# KiCad board mist1010.kicad_pcb (continued)
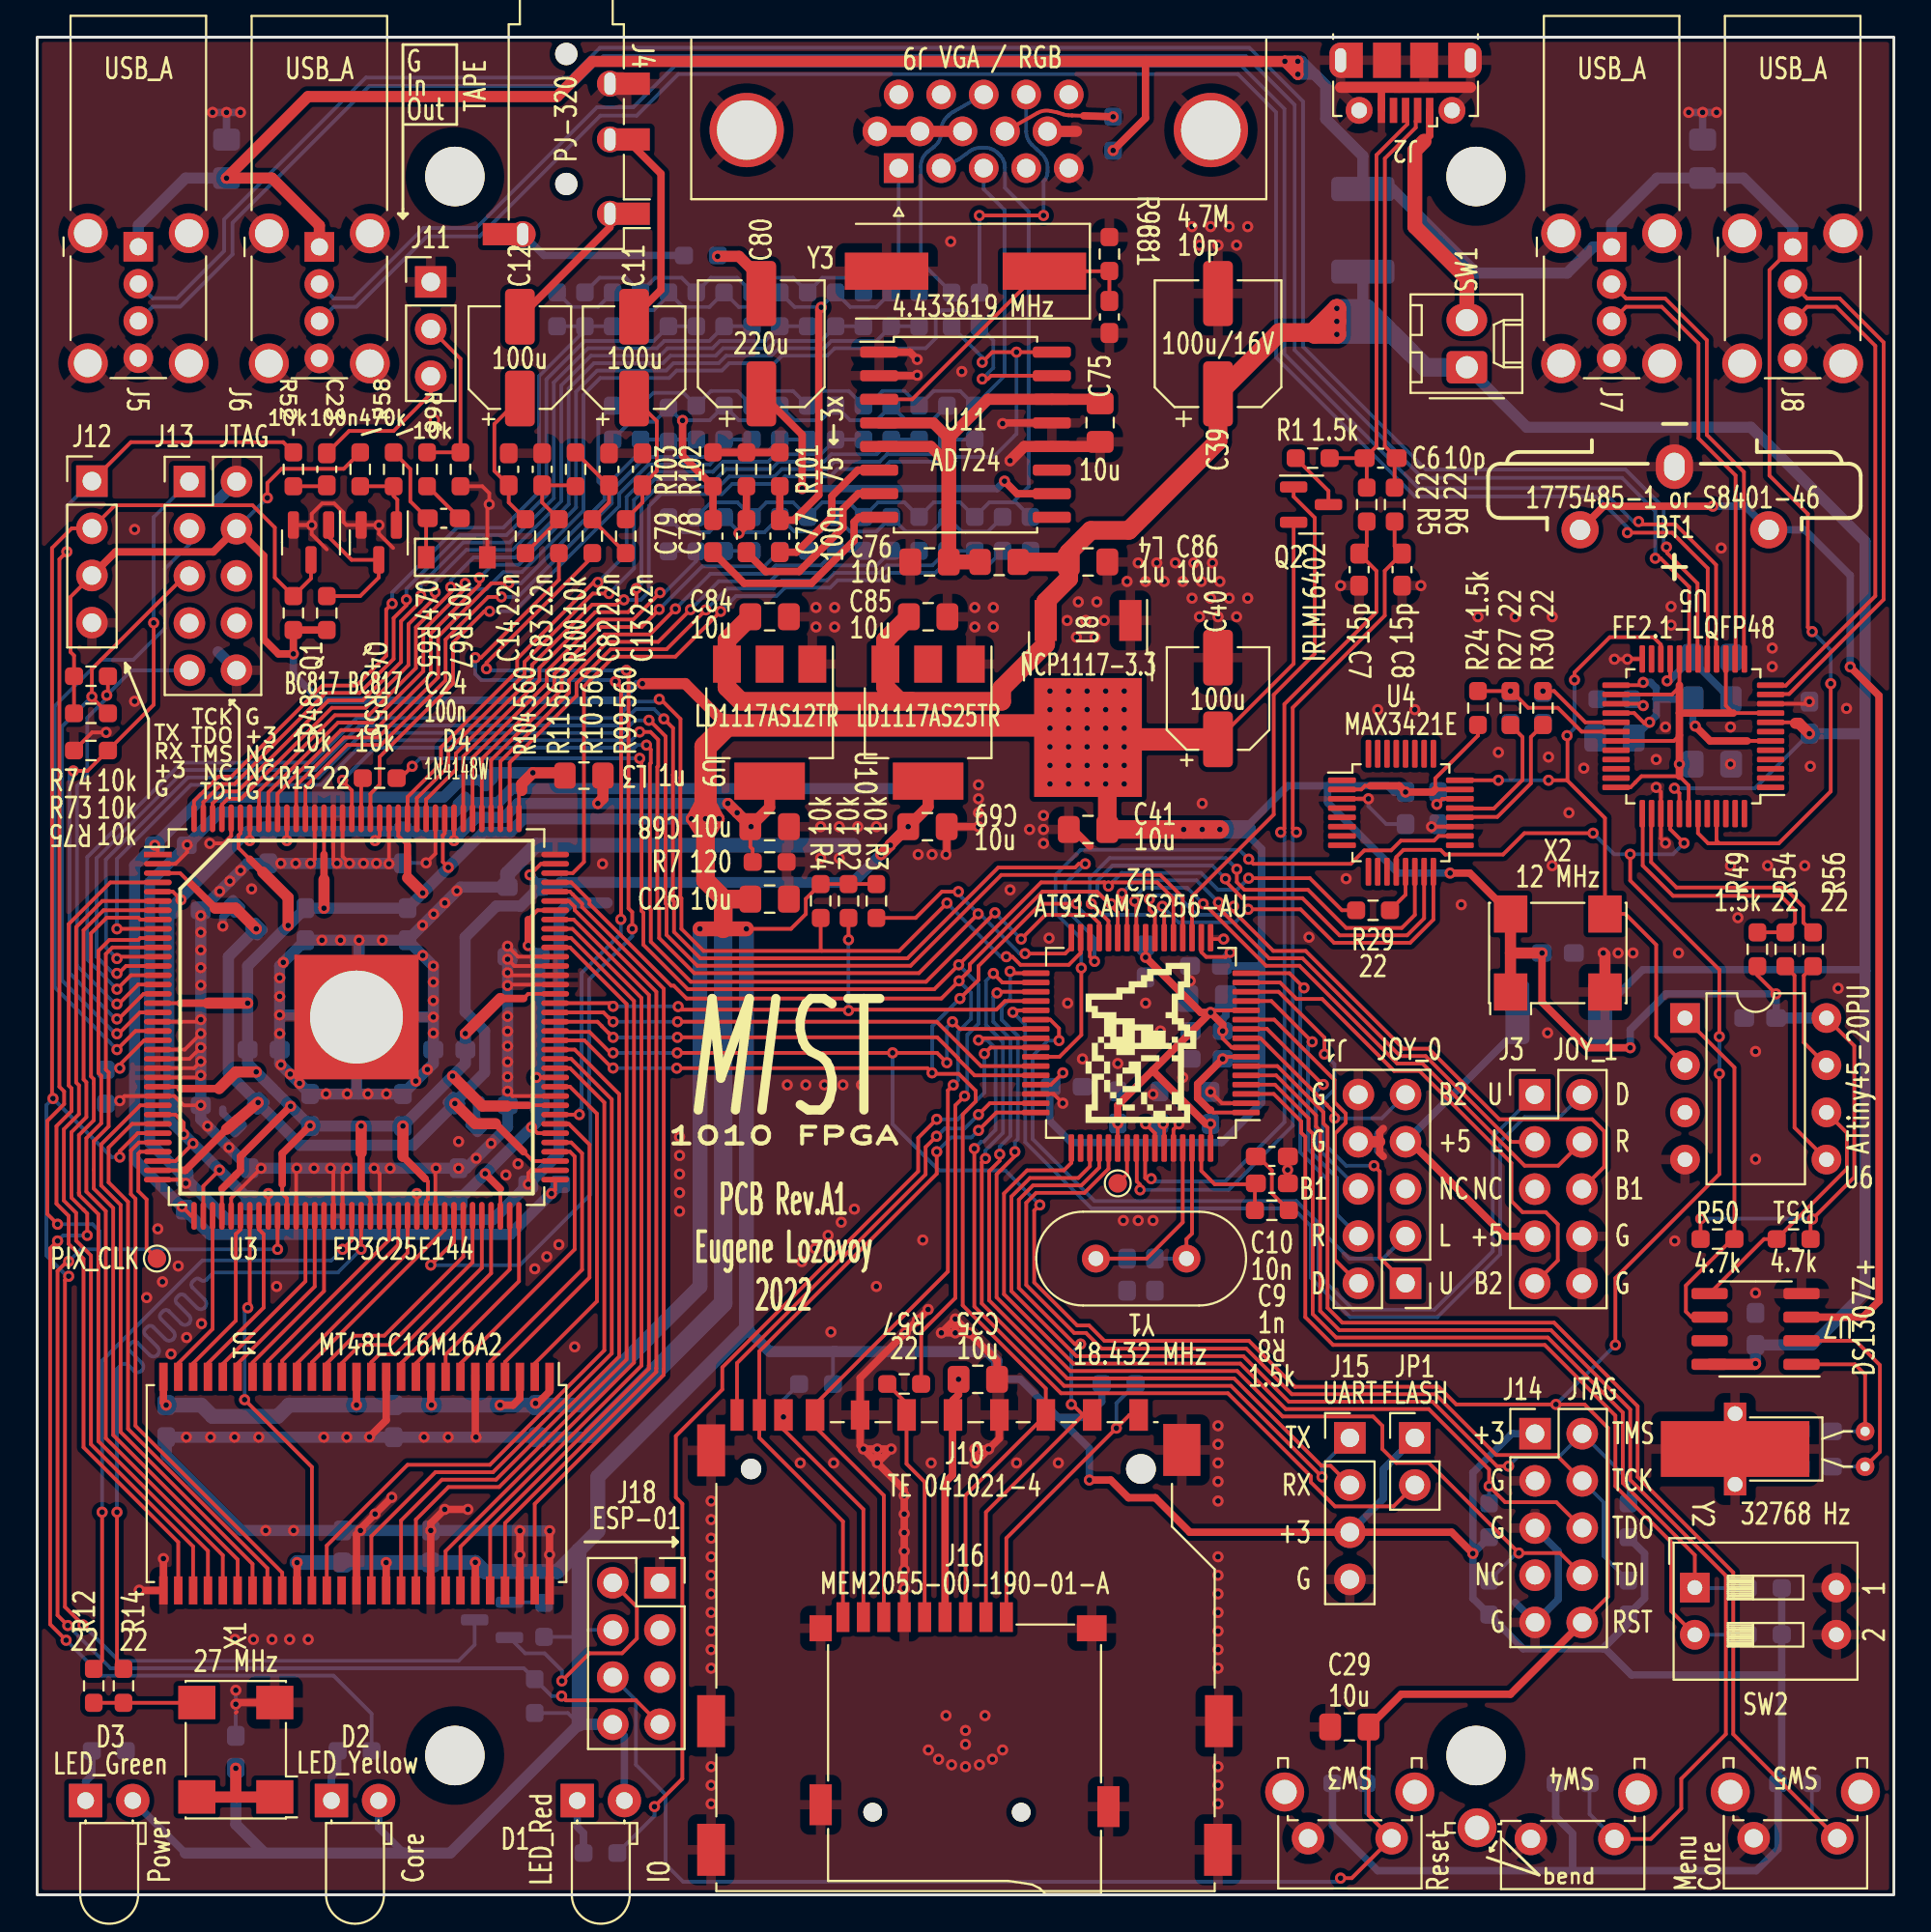
[diagram p0: board, top side]
## Nets (continued)
/RAM_DQ12: U1.48 U3.100
/RAM_DQ13: U1.50 U3.101
/RAM_DQ14: U1.51 U3.103
/RAM_DQ15: U1.53 U3.104
/RAM_DQMH: U1.39 U3.85
/RAM_DQML: U1.15 U3.67
/RST: C29.2 J14.10 J18.6 R68.2 SW3.1 U2.39 U3.89 U4.12 U5.40
/RTC_DN: R49.2 R54.2 U5.37
/RTC_DP: R56.2 U5.38
/RX_ARM: J15.2 U2.35
/RX_FPGA: J12.2 Q1.3 Q3.3 R48.1 U3.31
/SCK: R13.2 R29.1 R57.1 U2.21
/SD_CD: J10.10 J16.9 U2.48
/SD_CLK: J10.5 J16.5 R57.2
/SD_DAT1: J10.8 J16.8 R64.2
/SD_DAT2: J10.9 J16.1 R53.2
/SD_VDD: C25.2 J10.4 J16.4 L2.2
/SD_WP: J10.11 U2.47
/SS0: U2.28 U4.14
/SS1: J10.1 J16.2 U2.52
/SS2/FPGA: U2.29 U3.127
/SS3/OSD: U2.43 U3.91
/SS4/SD_DIRECT: U2.44 U3.90
/Switch1: R60.2 SW2.1 U2.4
/Switch2: R61.2 SW2.2 U2.3
/TAPE_IN: J11.2 R65.1 R67.1
/TAPE_OUT: C23.1 J11.3
/TX_ARM: J15.1 U2.34
/TX_FPGA: J12.1 J18.7 R44.2 R52.1 U3.46
/UDN: C6.2 J2.2 R6.1
/UDP: C6.1 J2.3 R1.2 R5.1
/USB_DN: C8.1 R6.2 U2.56
/USB_DP: C7.1 R5.2 U2.57
/USBH_INT: U2.42 U4.18
/USBHUB1_DN: J5.2 U5.18
/USBHUB1_DP: J5.3 U5.19
/USBHUB2_DN: J6.2 U5.16
/USBHUB2_DP: J6.3 U5.17
/USBHUB3_DN: J7.2 U5.13
/USBHUB3_DP: J7.3 U5.14
/USBHUB4_DN: J8.2 U5.11
/USBHUB4_DP: J8.3 U5.12
/VGA_B0: R41.1 R97.1 U3.115
/VGA_B1: R40.1 R96.1 U3.120
/VGA_B2: R39.1 R95.1 U3.121
/VGA_B3: R37.1 R94.1 U3.125
/VGA_B4: R35.1 R93.1 U3.132
/VGA_B5: R33.1 R34.1 R91.1 R92.1 U3.133
/VGA_G0: R32.1 R90.1 U3.106
/VGA_G1: R31.1 R88.1 U3.110
/VGA_G2: R28.1 R87.1 U3.111
/VGA_G3: R26.1 R86.1 U3.112
/VGA_G4: R25.1 R85.1 U3.113
/VGA_G5: R22.1 R23.1 R83.1 R84.1 U3.114
/VGA_HS: R43.1 U3.119 U11.16
/VGA_R0: R21.1 R82.1 U3.135
/VGA_R1: R20.1 R81.1 U3.137
/VGA_R2: R19.1 R80.1 U3.141
/VGA_R3: R18.1 R79.1 U3.142
/VGA_R4: R17.1 R78.1 U3.143
/VGA_R5: R15.1 R16.1 R76.1 R77.1 U3.144
/VGA_VS: R42.1 U3.136 U11.15
/VS: J9.14 R42.2
/~{JOY0_B1}: J1.6 U2.10
/~{JOY0_B2}: J1.9 U2.9
/~{JOY0_DOWN}: J1.2 U2.11
/~{JOY0_LEFT}: J1.3 U2.16
/~{JOY0_RIGHT}: J1.4 U2.13
/~{JOY0_UP}: J1.1 U2.14
/~{JOY1_B1}: J3.6 U2.23
/~{JOY1_B2}: J3.9 U2.15
/~{JOY1_DOWN}: J3.2 U2.37
/~{JOY1_LEFT}: J3.3 U2.26
/~{JOY1_RIGHT}: J3.4 U2.25
/~{JOY1_UP}: J3.1 U2.38
/~{LED_ARM}: R45.2 U2.41
/~{LED_FPGA}: R46.2 U3.7
/~{RAM_CAS}: U1.17 U3.64
/~{RAM_CS}: U1.19 U3.59
/~{RAM_RAS}: U1.18 U3.60
/~{RAM_WE}: U1.16 U3.66
Net-(C1-Pad2): C1.2 C2.2 C3.2 C4.2 C5.2 U2.8 U2.12 U2.24 U2.54 U2.64
Net-(C9-Pad1): C9.1 R8.2 U2.63
Net-(C10-Pad1): C10.1 R8.1
Net-(C11-Pad1): C11.1 C13.1 R99.2
Net-(C11-Pad2): C11.2 J4.R1
Net-(C12-Pad1): C12.1 C14.1 R104.2
Net-(C12-Pad2): C12.2 J4.T
Net-(C15-Pad1): C15.1 U2.62 Y1.1
Net-(C16-Pad1): C16.1 U2.61 Y1.2
Net-(C17-Pad2): C17.2 L1.2 U5.21
Net-(C18-Pad2): C18.2 L1.1 U5.6 U5.25 U5.28
Net-(C19-Pad2): C19.2 U5.9 U5.15 U5.20 U5.26 U5.31 U5.36 U5.42
Net-(C20-Pad1): C20.1 R24.2 R27.2 U5.30
Net-(C21-Pad1): C21.1 R30.2 U5.29
Net-(C22-Pad2): C22.2 U4.22
Net-(C23-Pad2): C23.2 R52.2
Net-(C24-Pad1): C24.1 D4.1 R66.1
Net-(C24-Pad2): C24.2 R65.2
Net-(C27-Pad1): C27.1 U7.2 Y2.2
Net-(C28-Pad1): C28.1 U7.1 Y2.1
Net-(C77-Pad1): C77.1 U11.6
Net-(C77-Pad2): C77.2 R76.2 R77.2 R78.2 R79.2 R80.2 R81.2 R82.2 R101.1
Net-(C78-Pad1): C78.1 U11.7
Net-(C78-Pad2): C78.2 R83.2 R84.2 R85.2 R86.2 R87.2 R88.2 R90.2 R102.1
Net-(C79-Pad1): C79.1 U11.8
Net-(C79-Pad2): C79.2 R91.2 R92.2 R93.2 R94.2 R95.2 R96.2 R97.2 R103.1
Net-(C80-Pad1): C80.1 U11.10
Net-(C80-Pad2): C80.2 R89.2
Net-(C81-Pad1): C81.1 R98.2 U11.3 Y3.1
Net-(C82-Pad1): C82.1 R10.2 R99.1 R100.1
Net-(C83-Pad1): C83.1 R11.2 R100.2 R104.1
Net-(D1-Pad1): D1.1 R45.1
Net-(D2-Pad1): D2.1 R46.1
Net-(D3-Pad1): D3.1 R47.1
Net-(J2-Pad1): J2.1 SW1.2
Net-(J9-Pad9): J9.9 R38.2
Net-(J18-Pad2): J18.2 Q3.2
Net-(JP1-Pad2): JP1.2 U2.40
Net-(Q1-Pad1): Q1.1 Q4.3 R55.1
Net-(Q2-Pad3): Q2.3 R1.1
Net-(Q3-Pad1): Q3.1 R59.2
Net-(Q4-Pad1): Q4.1 R58.1 R66.2
Net-(R9-Pad2): R9.2 U3.21
Net-(R12-Pad2): R12.2 U3.54
Net-(R13-Pad1): R13.1 U3.126
Net-(R14-Pad2): R14.2 U3.55
Net-(R27-Pad1): R27.1 U4.21
Net-(R29-Pad2): R29.2 U4.13
Net-(R30-Pad1): R30.1 U4.20
Net-(R36-Pad1): R36.1 U5.27
Net-(R50-Pad2): R50.2 U6.1 U7.6
Net-(R51-Pad2): R51.2 U6.6 U7.5
Net-(R54-Pad1): R54.1 U6.5
Net-(R56-Pad1): R56.1 U6.7
Net-(TP2-Pad1): TP2.1 U2.55

Pads without a net: J1 5; J2 4; J3 5; J9 4 11 12 15; J13 6 7 8; J14 7; J18 3 5; U1 40; U2 50; U4 1 4 5 6 7 8 9 10 11 17 25 26 27 28 29 30 31 32; U5 1 2 3 4 5 7 23 32 33 34 35 44 46 47 48; U6 3; U7 7; U11 9 11

## Via types
v1: diameter 0.6, hole 0.3, Top to Bottom, 667 vias

## Routing (per net, layer and track width the routed paths; a pad name or vN(x,y) marks a point on that pad's centre or on a via; arc(x,y) is an arc through that point)
+1V2: length 114.2
  Top w0.2: U3.5 7.31,54 v1(7.75,53.57) ; U3.70 24.95,38 ; U3.45 v1(12.45,37.75) ; U3.84 v1(26.89,44) ; U3.102 26.95,53 26.45,52.5 ; v1(7.89,40.94) 7.89,41.56 7.45,42 U3.29 ; v1(8.39,40.44) 7.45,39.5 U3.34 ; v1(26.63,41.32) 26.95,41 U3.78 ; U3.61 v1(20.45,37.75) ; U3.134 v1(13.45,56.75) ; v1(9.82,39.02) 8.95,38.15 U3.38 ; U3.138 v1(11.45,56.75) ; U3.116 v1(22.45,56.75) ; U3.124 18.45,57 v1(18.2,56.75) ; C68.2 38.41,56.41 38.54,56.29 R7.1
  Top w0.4: 26.45,52.5 v1(26.45,51.1) ; 24.95,38 v1(24.13,38.82)
  Top w0.6: v1(38.45,57.5) v1(37.7,58.25) v1(37.2,58.75) ; C68.2 39.45,58.54 U9.2 ; v1(30.2,58.75) 30.48,59.02 L3.1
  Bottom w0.2: 11.34,57.25 11.45,57.14 v1(11.45,56.75) ; v1(22.45,56.75) 22.45,56.8 22.67,57.03 ; v1(26.89,44) 26.95,44 27.06,43.89 ; v1(20.45,37.75) 20.45,37.52 20.31,37.39 ; 12.56,37.39 12.45,37.5 v1(12.45,37.75) ; v1(18.2,56.75) 18.2,57.25 ; v1(13.45,56.75) 13.45,57.25
  Bottom w0.4: C44.2 26.46,51.1 v1(26.45,51.1)
  Bottom w0.6: C44.2 C47.2 27.06,41.75 v1(26.63,41.32) v1(24.13,38.82) C49.2 C48.2 v1(8.39,40.44) v1(7.89,40.94) 7.09,41.75 C46.2 C43.2 11.34,57.25 C45.2 C42.2 20.35,57.25 20.57,57.03 22.67,57.03 23.64,57.99 25.14,57.99 25.9,58.75 v1(30.2,58.75) v1(37.2,58.75) v1(37.7,58.25) v1(38.45,57.5)
+1V2_PLL: length 71.8
  Top w0.2: v1(27.7,37.75) 27.9,37.95 U3.73 ; U3.37 8.3,36.55 v1(7.8,37.05) ; U3.1 6.5,56.34 v1(6.34,56.5) ; 25.95,59.5 U3.109
  Top w0.6: 26.1,59.45 26.1,59.8 v1(26.7,60.4) 28.27,60.4 L3.2
  Bottom w0.6: v1(26.7,60.4) 24.6,60.4 C70.2 22.81,60.01 21.89,59.09 8.92,59.09 v1(6.34,56.5) 5.25,55.41 5.25,39.59 C72.2 9.29,35.55 25.48,35.55 C73.2
+2V5: length 87.1
  Top w0.2: U3.35 7.84,39 ; U3.75 26.7,39.5 26.2,40 ; 8.2,54.5 7.7,55 U3.3 ; v1(26.54,54.91) 27.13,55.5 U3.107
  Top w0.4: 8.2,54.5 9.59,53.11 ; 7.84,39 7.99,39 10.2,41.21 ; 26.2,40 24.69,41.51 ; 23.79,41.51 23.59,41.51
  Top w0.6: 9.59,53.11 10.69,53.11 v1(11.8,52) ; v1(11.9,42.65) 10.2,41.21 ; U10.2 47.99,58.57 v1(46.91,57.5) 45.95,56.54 v1(45.95,56.5) v1(45.45,56) ; 23.59,41.51 v1(22.5,42.6) ; 24.69,41.51 23.79,41.51
  Bottom w0.4: v1(26.54,54.91) 27.06,54.39 C35.2
  Bottom w0.6: v1(11.8,52) 10.3,50.5 10.3,44.22 C36.2 13.73,40.79 13.73,40.78 14.15,40.35 20.25,40.35 22.45,42.55 C37.2 24.1,44.27 24.1,46.5 23.05,47.55 23.05,51.55 24.73,53.22 26.04,53.22 C35.2 27.95,54.25 28.2,54.5 43.95,54.5 v1(45.45,56) v1(45.95,56.5) 45.95,56.54 v1(46.91,57.5)
+3V3: length 728.4
  Top w0.2: R49.1 92.65,49.5 v1(93.65,48.5) ; U3.17 7.7,48 ; J12.3 1.8,69.87 1.8,66.9 1.99,66.71 R74.1 R73.1 ; 7.45,43.5 U3.26 7.6,43.5 7.7,43.4 ; R50.1 89.59,36.39 v1(89.6,36.4) ; U3.40 9.95,38 ; v1(38.2,52) 40.6,52 41.4,52.8 41.4,53.61 R4.1 R3.1 ; U3.62 20.95,37.36 21.05,37.46 21.05,38.4 20.9,38.55 ; U3.81 26.45,42.5 ; U3.47 13.45,37.5 13.2,37.75 13.2,38.25 ; R51.1 95.51,36.28 v1(95.62,36.38) 97.87,38.63 97.87,45.7 U6.8 ; v1(12.4,75.2) 12.4,76 13.16,76.76 16.51,76.76 R58.2 ; v1(22.14,55.31) 21.85,55.6 21.85,57.04 21.95,57.14 U3.117 ; 11.45,55.75 10.85,56.35 10.85,57.04 10.95,57.14 U3.139 ; U2.58 60.2,41 v1(59.7,41.5) ; U3.122 19.45,57 19.95,56.5 ; U3.56 17.95,37.5 17.45,38 ; 76.62,59.5 75.3,59.5 75.3,60.1 77.6,62.4 R24.1 ; U3.93 26.45,48.5 26.2,48.25 ; 63.2,42.25 63.34,42.11 U2.1 ; U3.130 15.45,56 ; U4.2 71.31,59.5 71.51,59.7 71.8,59.7 ; v1(64.25,50.73) 64.01,50.49 62.96,50.49 62.7,50.75 U2.18 ; Q2.2 67.67,66.27 C40.1 ; U2.59 60.7,41.45 v1(60.65,41.5) ; v1(63.85,45) 63.96,45.11 U2.7 ; v1(55.24,44.25) 54.6,43.61 U2.45
  Top w0.4: 11.45,55.75 12.15,55.05 ; 19.7,39.75 20.9,38.55 ; v1(85.8,45.6) 83.5,45.6 81.05,48.05 v1(81.05,50.7) ; U1.27 6.8,26.51 v1(6.95,26.36) ; X2.4 77.16,55 v1(76.1,55) ; J12.3 4.22,72.29 9.49,72.29 J13.4 12.2,72.08 12.2,67.6 13,66.8 v1(13.8,66.8) R48.2 R55.2 ; v1(77.33,18.38) 76.18,19.52 J15.3 62.08,19.52 60.23,21.38 58.77,21.38 57.82,22.33 v1(56.67,22.33) ; U1.9 21.2,26.4 v1(21.24,26.36) ; v1(26.84,26.46) 26.9,26.4 27.6,27.1 U1.1 ; 9.2,48 7.7,48 ; 22.38,44.07 v1(22.38,44.07) ; v1(24.94,26.36) 25.63,26.36 26,26.73 U1.3 ; v1(63.85,45) 62.5,43.65 62.5,42.89 63.14,42.25 63.2,42.25 ; 26.45,42.5 23.95,42.5 ; v1(14.7,41.4) 13.2,39.9 13.2,38.25 ; 19.95,56.5 19.95,54.75 ; 9.95,38 10.95,39 10.95,39.75 v1(13.65,42.45) ; 26.2,48.25 24.95,48.25 ; 9.8,43.4 7.7,43.4 ; v1(23.6,17.9) U1.49 ; v1(14,17.89) U1.37 ; 15.45,54.65 15.45,56 ; 75.3,59.5 75.16,59.36 v1(73.7,59.36) 73.36,59.7 71.8,59.7 ; v1(18.8,17.89) U1.43 ; 17.45,39.95 17.45,38 ; v1(17.2,26.36) U1.14
  Top w0.6: v1(35.24,57.92) 36,59.3 v1(36.73,57.92) ; v1(35.24,57.92) 35.24,57.92 v1(36,57.92) v1(36.73,57.92) ; v1(35.24,57.92) 36,56.7 v1(36.73,57.92) ; 24.95,48.25 v1(23.06,46.36) ; v1(17.45,41.39) 17.45,39.95 ; 12.15,55.05 13.52,53.68 v1(13.52,52.18) ; 79.35,50.7 v1(81.05,50.7) ; 79.35,50.7 79.35,52.8 ; 79.35,50.7 79.35,48.6 ; 19.95,54.75 v1(20.77,53.93) ; v1(15.45,53.11) 15.45,54.65 ; v1(11.34,48) 9.2,48 ; 37.15,62.95 34.9,65.2 v1(32.6,65.2) ; 9.8,43.4 10.7,44.3 v1(11.8,44.3) ; v1(10.7,6.81) 10.7,5.31 10.75,5.26 ; 25.3,42.46 23.98,42.46 22.38,44.07 ; 10.75,5.26 12.8,5.26 ; 10.75,5.26 8.6,5.26 ; 19.7,39.75 v1(19.7,41.39)
  Top w0.8: v1(35.7,52) v1(38.2,52)
  Top w1: v1(36,57.92) 36,54.6 37,53.6 C26.2 ; v1(63.7,57.35) v1(62.75,57.35) v1(61.75,57.35) C41.2 57.64,61.26 U8.2 55.95,62.95 ; 36.95,53.35 36.95,52
  Top w1.2: C40.1 56.7,62.2 U8.2 ; 55.95,62.95 37.15,62.95 36,61.8 v1(36,57.92)
  Bottom w0.2: R59.1 29.01,13.89 29.38,14.26 J18.4 ; 42.95,29.25 42.86,29.16 R64.1 ; v1(59.7,41.5) 60.42,41.5 C67.2 60.63,41.52 v1(60.65,41.5) ; 29.19,9.19 28.58,9.79 R44.1 ; v1(55.24,44.25) 55.24,44.15 C64.2 ; v1(12.4,75.2) J13.4 ; v1(95.62,36.38) 95.6,36.4 v1(89.6,36.4)
  Bottom w0.4: 19.75,2.25 18.39,3.61 D2.2 ; D3.2 7.97,2.25 ; 55,25.7 52.95,27.75 L2.1 ; 55,25.7 56.49,25.7 57.34,26.55 R53.1 ; 55,25.7 56.67,24.03 v1(56.67,22.33) ; J18.8 31.63,8.55 D1.2 ; C31.2 93.66,48.49 v1(93.65,48.5) 87.73,48.5 85.8,46.57 v1(85.8,45.6) ; v1(77.33,18.38) 77.33,22.73 79.42,24.82 J14.1 ; v1(77.33,18.38) 77.33,15.96 R72.1 80.04,13.25 84.32,13.25 84.48,13.42 ; v1(77.33,18.38) R71.1 ; v1(64.25,50.73) 63.81,50.29 C63.2 65.95,50 ; 84.48,13.42 85.7,14.63 R70.1 86.57,15.96 86.57,18.38 R69.1 ; 84.48,13.42 84.48,13.22 85.86,11.84 93.95,11.84 93.96,11.82 93.96,6.84 93.76,6.64 R63.1 93.76,2.47 92.59,1.3 82.7,1.3 ; v1(63.85,45) 65.95,45 ; 65.95,45 65.95,42.65 63.8,40.5 60.45,40.5 ; 65.95,45 65.95,50 ; 65.95,50 65.95,56.3 65.15,57.1 65.15,57.5 67.35,59.7 69.5,59.7 ; 60.45,40.5 55.7,40.5 54.54,41.66 54.54,43.46 C64.2 ; 60.45,40.5 C67.2 ; v1(32.6,65.2) 32.3,65.2 31.4,64.3 15.2,64.3 13.8,65.7 v1(13.8,66.8) ; 69.5,59.7 72.75,59.7 73.09,59.36 v1(73.7,59.36) ; 69.5,59.7 69.5,58.8 73.3,55 v1(76.1,55) ; R62.1 81.79,4.21 82.7,3.3 82.7,1.3 ; JP1.1 72.5,22.9 72.5,21.32 J15.3 ; v1(23.6,17.9) 23.59,17.89 ; 82.7,1.3 72.2,1.3 69.76,3.74 R68.1 ; 93.96,11.85 R61.1 R60.1
  Bottom w0.6: 12.25,2.25 10.7,3.8 C58.2 v1(10.7,6.81) ; 12.25,2.25 7.97,2.25 ; 12.25,2.25 22.25,2.25 29.19,9.19 29.19,9.18 J18.8 ; v1(23.06,46.36) C56.2 23.06,44.75 v1(19.7,41.39) v1(17.45,41.39) C54.2 11.34,44.75 C57.2 v1(11.34,48) 11.34,50 v1(13.52,52.18) C55.2 v1(15.45,53.11) C50.2 v1(20.77,53.93) v1(22.14,55.31) 24.03,57.19 25.47,57.19 26.2,57.92 v1(35.24,57.92) 35.24,57.92 v1(36.73,57.92) ; 38.2,30.5 39.45,29.25 51.19,29.25 51.69,28.75 L2.1 ; C31.2 U6.8
  Bottom w0.8: v1(38.2,52) 38.2,30.5 30.2,22.5 30.2,19.58 29.19,18.56 ; 29.19,9.19 29.19,18.56 ; 29.19,18.56 28.02,17.4 24.1,17.4 v1(23.6,17.9) ; 23.59,17.89 C52.2 v1(18.8,17.89) C60.2 v1(14,17.89) ; v1(6.95,26.36) 8.84,26.36 9.45,25.75 12.95,25.75 13.56,26.36 v1(17.2,26.36) C61.2 v1(21.24,26.36) C51.2 29.31,26.36 35.7,32.75 v1(35.7,52)
  Bottom w1: v1(61.75,57.35) 65.15,57.35
  vias: v1(54.55,64.8) v1(54.55,63.8) v1(54.55,62.8) v1(54.55,61.8) v1(54.55,60.8) v1(54.55,59.8) v1(55.55,64.8) v1(55.55,63.8) v1(55.55,62.8) v1(55.55,61.8) v1(55.55,60.8) v1(55.55,59.8) v1(56.55,64.8) v1(56.55,63.8) v1(56.55,62.8) v1(56.55,61.8) v1(56.55,60.8) v1(56.55,59.8) v1(57.55,64.8) v1(57.55,63.8) v1(57.55,62.8) v1(57.55,61.8) v1(57.55,60.8) v1(57.55,59.8) v1(58.55,64.8) v1(58.55,63.8) v1(58.55,62.8) v1(58.55,61.8) v1(58.55,60.8) v1(58.55,59.8)
+5V: length 189.8
  Top w0.2: U5.41 88.45,59.3 v1(88.18,59.57) ; U5.8 94.65,63.12 94.7,63.07
  Top w0.6: U7.8 92.51,28.56 v1(92.55,28.6) ; v1(95.45,62.5) 94.89,63.07 94.7,63.07
  Top w1: C84.2 37.15,67.54 U9.3 37.15,65 37.9,64.25 47.09,64.25 ; v1(70,85.4) v1(70,84.7) 69.7,84.4 69,84.4 ; v1(70,85.4) 69,84.4 ; v1(70,85.4) v1(70,84) 68.8,84 68.7,84.1 ; 69,84.4 68.7,84.1 ; 47.09,64.25 51.95,64.25 51.95,64.95 54.32,67.32 U8.3 54.32,69.62 55.56,70.86 C86.2 ; 47.09,64.25 46.45,64.25 45.69,65.01 U10.3 45.69,67.54 C85.2 ; C86.2 55.56,72.26 56.75,73.45 58.8,73.45 63.6,78.25 C39.1 66.9,84.1 68.7,84.1 ; C86.2 L4.1
  Bottom w0.2: v1(95.45,62.5) 92.52,59.57 v1(88.18,59.57)
  Bottom w0.4: 98.45,49.75 98.4,49.8 86.48,49.8 F2.1
  Bottom w0.6: 71.6,85.4 71.4,85.6 F1.1 ; 98.34,62.5 v1(95.45,62.5) ; SW1.1 80.23,79 92.3,79 98.45,72.85 98.45,32.45 95.6,29.6 C30.2 v1(92.55,28.6)
  Bottom w1: 73.6,83.4 73.94,83.06 ; 73.94,83.06 73,84 v1(70,84) v1(70,84.7) ; 73.94,83.06 72.7,84.3 ; 73.94,83.06 74.77,82.23 SW1.1 ; 72.7,84.3 71.6,85.4 v1(70,85.4) v1(70,84.7) ; 72.7,84.3 72.3,84.7 v1(70,84.7)
+5V_JOY: length 17.6
  Top w0.4: J3.7 79.05,35.45 73.96,40.54 J1.7
  Bottom w0.4: 79.73,46.56 J1.7
+5V_PAL: length 25.7
  Top w0.6: 49.1,77 48.14,77.96 U11.5 ; U11.4 48.27,79.23 49.1,78.4 51.2,80.5 U11.14 57.03,80.5 C75.2
  Top w0.8: L4.2 C76.2 49.1,78.4
+5V_USB: length 166.7
  Top w0.2: 90.6,56.6 90,56.6 89.45,57.15 U5.43 ; 90.6,56.6 90.45,56.75 U5.45 ; 90.6,56.6 93.8,56.6 96.6,59.4 v1(96.6,65.2) ; v1(95.6,68) 95.37,68.23 95.37,74.33 93.3,76.4 93.3,87.46 J8.1
  Top w0.4: 59.69,98.69 59.69,95.64 v1(57.95,93.9)
  Top w0.6: v1(67.2,98.7) 67.19,98.69 29.89,98.69 28,96.8 14.59,96.8 v1(10.2,92.41) 12.65,92.41 15.2,89.86 J6.1 ; v1(67.2,98.7) v1(67.9,98) v1(67.9,98.7) v1(67.2,98.7)
  Bottom w0.2: v1(96.6,65.2) 96.6,67 v1(95.6,68)
  Bottom w0.6: v1(67.9,98) 68.8,98 69.4,97.4 ; v1(67.9,98) v1(67.9,98.7) ; v1(67.9,98) v1(67.2,98.7) v1(67.9,98.7) ; 69.4,97.4 68.1,98.7 v1(67.9,98.7) ; 69.4,97.4 69.4,95.6 71.4,93.6 F1.2 72.98,91.82 77.5,87.3 82.4,87.3 83.81,88.71 J7.1 84.8,89.96 87.25,92.41 C33.2 91.9,92.41 94.55,89.76 J8.1 ; v1(10.2,92.41) 7.99,92.41 5.45,89.87 J5.1
GND: length 542.9
  Top w0.2: U3.2 7.45,55.5 8.08,56.13 v1(8.08,56.52) ; v1(87.2,59.62) 87.45,59.37 U5.39 87.45,56.87 v1(87.7,56.62) ; U3.36 7.81,38.5 v1(8.01,38.3) ; U3.41 10.45,37.5 v1(12.06,39.11) ; 10.7,9.8 10.75,9.85 ; U3.140 10.45,57 10.05,56.6 v1(9.3,56.6) ; v1(25.34,43.26) 25.6,43 U3.82 ; v1(25.34,50.36) 25.7,50 U3.96 ; v1(25.34,51.06) 25.9,50.5 U3.97 ; v1(16.83,55.52) 16.45,55.9 U3.128 ; 15.6,72.42 14.79,73.23 v1(14.79,73.73) 14.78,73.74 Q1.2 14.8,73.74 14.79,73.74 14.79,74.34 15.35,74.9 16,74.9 16.5,74.4 16.5,73.9 16.66,73.74 Q4.2 18.4,73.74 v1(18.41,73.73) 18.41,73.27 19.17,72.5 ; v1(61.5,41.5) 61.2,41.2 U2.60 ; U3.22 7.95,45.5 v1(8.81,46.36) ; v1(14.72,55.52) 14.95,55.75 U3.131 ; v1(3.72,62.57) 2.96,62.57 R75.2 ; v1(16.15,55.52) 15.95,55.72 U3.129 ; v1(55.24,42.61) 54.74,43.11 U2.46 ; U3.74 26.6,39 26.45,38.85 v1(26.45,38.25) ; 22.8,75.82 23.97,75.82 24.35,75.45 v1(24.35,74.85) 24.25,74.75 D4.2 ; U3.118 21.45,56.05 v1(20.95,55.55) ; U3.52 15.95,38.96 v1(15.8,39.11) ; v1(63.2,43.22) 63.81,42.61 U2.2 ; v1(25.34,49.64) 25.47,49.5 U3.95 ; v1(13.99,39.11) 13.95,39.07 U3.48 ; v1(18.95,55.5) U3.123 ; v1(25.34,48.95) 25.39,49 U3.94 ; U3.23 8.2,45 v1(8.81,45.61) ; U3.24 8.45,44.5 v1(8.81,44.86) ; U2.17 63.27,51.45 v1(63.9,51.45) ; C10.2 67.36,39.04 v1(67.35,39.02) ; v1(21.49,39.11) 21.45,39.07 U3.63 ; v1(16.69,39.11) 16.45,38.88 U3.53 ; U3.57 18.45,38.81 v1(18.15,39.11) ; U3.25 8.7,44 v1(8.81,44.11) ; v1(4.45,42.75) 4.7,43 U3.27 7.39,43 7.89,42.5 v1(8.81,42.5) ; 76.62,57.5 v1(75.1,57.5) ; U3.19 8.7,47 v1(8.81,47.11) ; U4.3 v1(71.7,59) ; v1(84.95,66.52) v1(85.65,66.52) 85.66,66.53 U5.24 ; U5.10 95.34,64.12 v1(95.45,64.23)
  Top w0.4: v1(5.5,16.4) 5.51,16.39 U1.28 v1(6.8,18.1) ; v1(45.25,23.25) 46.7,21.8 J16.6 ; v1(45.25,23.25) v1(44.5,24) ; v1(45.25,23.25) v1(46,24) v1(45.25,24) ; v1(45.25,23.25) v1(45.25,24) ; v1(49.45,31) v1(50.2,30.25) ; v1(49.45,31) v1(49.45,30.25) ; v1(49.45,31) v1(48.7,30.25) v1(49.45,30.25) ; v1(50.2,30.25) 51.7,28.75 C25.1 ; v1(50.2,30.25) v1(49.45,30.25) ; 72.5,39.75 72.31,39.94 72.31,41.06 72.5,41.25 ; 72.4,96.1 72.4,97.1 ; v1(44.5,24) v1(45.25,24) ; v1(44.5,24) 44.33,24.17 J10.6 44.33,27.82 v1(46.75,30.25) 46.75,30.27 v1(47.41,30.93) v1(47.99,31.51) ; v1(26,19.6) U1.52 ; U11.1 47.01,83.04 v1(47.4,82.65) ; v1(52,79.2) 52.04,79.23 U11.13 ; v1(51.25,24) v1(50.5,24) v1(50.5,23.25) v1(51.25,24) ; v1(51.25,24) 51.83,24.57 J10.3 ; U1.12 18.8,25.55 v1(17.9,24.65) ; v1(10.7,10.26) 10.79,10.35 X1.2 ; v1(47.4,81.8) 47.37,81.77 U11.2 ; v1(23.64,24.64) 23.6,24.67 U1.6 ; v1(50.7,57.5) C69.1 48.99,56.04 v1(48.95,56) ; v1(23.2,20.75) v1(21.95,20.75) 21.2,20 v1(21.2,19.61) U1.46 ; 56.7,56.45 55.8,57.35 C41.1 ; v1(19.1,21.4) v1(18.2,20.5) 17.41,19.71 v1(17.41,19.61) 17.2,19.4 U1.41 ; U1.54 v1(27.6,19.6) ; R103.2 R101.2
  Top w0.6: v1(84.35,50.7) 84.44,50.61 X2.2 ; v1(52.4,77.2) 53.17,77.96 U11.12 57,77.96 C75.1 ; J9.10 55.98,94.93 ; 70.2,97.3 77.2,97.3 ; J1.8 72.31,40.54 ; 45.26,94.93 J9.8
  Bottom w0.2: C58.1 v1(10.7,10.26) v1(10.7,11.01) ; R9.1 4.29,42.59 v1(4.45,42.75) ; C65.1 72.66,57.64 71.7,58.6 v1(71.7,59) ; C42.1 19.72,55.55 v1(20.95,55.55) ; C1.1 61.95,49.05 v1(62.1,49.2) 62.09,49.21 C63.1
  Bottom w0.4: C37.1 23.67,42.57 23.9,42.8 ; C36.1 10,42.08 10,42.3 ; v1(10.2,95.95) v1(10.95,95.95) ; v1(10.2,95.95) v1(9.45,95.95) ; v1(10.2,95.95) C34.1 ; C33.1 v1(89.7,95.95) ; v1(89.7,95.95) v1(88.95,95.95) ; v1(89.7,95.95) v1(90.45,95.95) ; 72.5,41.25 72.21,40.96 72.21,40.04 72.5,39.75 ; 79.6,15.74 J14.9 81.92,15.91 81.92,18.5 J14.5 ; C38.1 10,52.62 v1(10,52.15)
  Bottom w0.6: U3.145 17.34,47.39 v1(17.34,51.39) ; U3.145 v1(21.34,47.25) ; U3.145 17.09,47.36 v1(13.06,47.36) ; U3.145 17.2,43.2 17.29,43.11 ; v1(25.34,51.06) v1(25.34,50.36) v1(25.34,49.64) v1(25.34,47.29) v1(25.34,46.49) v1(25.34,45.69) v1(25.34,44.84) v1(25.34,44.04) v1(25.34,43.26) C47.1 25.34,41.34 v1(24.45,40.45) v1(23.65,39.65) 23.11,39.11 v1(22.7,39.11) v1(21.49,39.11) v1(19.01,39.11) v1(16.69,39.11) v1(14.91,39.11) v1(13.99,39.11) v1(12.06,39.11) C48.1 v1(10.33,40.23) v1(9.18,41.38) 8.81,41.75 v1(8.81,42.5) v1(8.81,44.11) v1(8.81,44.86) v1(8.81,45.61) v1(8.81,46.36) v1(8.81,47.11) v1(8.81,48.96) v1(8.81,49.91) v1(8.81,50.86) v1(8.81,51.81) v1(8.81,52.71) C43.1 v1(9.83,54.02) v1(10.38,54.57) v1(10.96,55.14) 11.34,55.52 C45.1 v1(13.12,55.52) v1(13.92,55.52) v1(14.72,55.52) v1(16.83,55.52) v1(17.58,55.52) v1(18.27,55.52) 18.92,55.52 v1(18.95,55.5) 18.97,55.52 C42.1 ; v1(27.6,19.6) v1(26,19.6) 25.99,19.61 v1(21.2,19.61) v1(17.41,19.61) C60.1 v1(13.81,19.61) v1(12.31,19.61) 10.99,19.61 6.95,23.65 C59.1 v1(8.04,24.64) v1(9.34,24.64) v1(10.64,24.64) v1(11.94,24.64) v1(15.44,24.64) v1(16.67,24.64) C61.1 v1(20.84,24.64) v1(22.14,24.64) v1(23.64,24.64) C51.1 29.74,24.64 29.9,24.8 ; J13.2 9.75,75.09 ; 45.26,94.93 J9.7 ; v1(17.34,51.39) v1(18.59,51.39) C50.1 ; v1(17.34,51.39) v1(16.34,51.39) v1(15.34,51.39) C55.1 v1(13.26,50.19) 13.06,50 v1(13.06,49.36) v1(13.06,48.36) v1(13.06,47.36) ; 30.7,53.4 28.7,53.4 28.1,52.8 28.1,39.9 v1(26.45,38.25) 24.55,36.35 10.21,36.35 C72.1 6.05,40.51 6.05,54.49 C71.1 v1(8.08,56.52) 9.85,58.29 22.49,58.29 22.89,58.69 ; J9.10 55.93,94.93 ; J13.10 9.75,66.91 ; v1(13.06,47.36) v1(13.06,46.36) C57.1 13.06,44.75 v1(13.13,44.68) v1(13.63,44.18) v1(14.13,43.68) C54.1 v1(15.56,43.11) v1(16.7,43.11) 17.29,43.11 ; J1.8 72.21,40.54 ; C70.1 24.81,58.79 25.57,59.55 47.65,59.55 ; C35.1 22.81,54.25 v1(22.61,54.04) v1(21.96,53.39) v1(21.36,52.79) v1(20.76,52.19) C50.1 ; C50.1 v1(20.77,50.57) v1(21.34,50) v1(21.34,49.14) v1(21.34,48.14) v1(21.34,46.39) C56.1 21.34,44.75 v1(21.02,44.43) v1(20.39,43.81) C53.1 v1(18.81,43.11) v1(17.81,43.11) 17.29,43.11
  Bottom w0.8: C35.1 25.34,54.97 26.86,56.5 43.95,56.5
  Bottom w1: 29.9,24.8 36.95,31.85 36.95,53.25
  vias: v1(5.25,73.5) v1(5.25,64.25) v1(5.9,32.15) v1(6.5,35.85) v1(6.75,33) v1(7.21,29.12) v1(7.6,33.85) v1(8.05,30) v1(8.85,30.75) v1(10.65,13.75) v1(11.55,54.15) v1(11.65,13.75) v1(12.65,13.75) v1(12.9,32.75) v1(13.6,13.75) v1(14.6,13.75) v1(21.4,79.4) v1(22.7,40.55) v1(25.25,38.75) v1(25.9,39.35) v1(26,18.3) v1(26.8,33.7) v1(27.45,34.35) v1(27.6,18.31) v1(28.1,35) v1(28.95,29.5) v1(30.45,55.5) v1(34.6,40.8) v1(34.6,39.8) v1(34.6,38.8) v1(34.6,37.8) v1(34.6,36.8) v1(36.3,21.2) v1(36.3,20.2) v1(36.3,19.2) v1(36.3,18.2) v1(36.3,17.2) v1(36.3,16.2) v1(36.3,15.2) v1(36.3,14.2) v1(36.3,13.2) v1(36.3,12.2) v1(36.3,6.9) v1(36.3,5.9) v1(36.3,4.9) v1(40.4,43.6) v1(41.1,23.25) v1(41.19,34.09) v1(41.4,43.6) v1(41.89,34.79) v1(41.95,69.3) v1(41.95,68.25) v1(42.2,57.5) v1(42.2,55.8) v1(42.4,43.6) v1(42.6,35.5) v1(42.75,30.3) v1(42.9,23.25) v1(42.95,69.3) v1(42.95,68.25) v1(43.2,57.5) v1(43.2,55.8) v1(43.31,36.21) v1(43.4,43.6) v1(44.01,36.91) v1(44.2,57.5) v1(44.4,43.6) v1(45.2,57.5) v1(45.2,32.75) v1(46.7,21.5) v1(46.7,20.5) v1(46.7,19.5) v1(46.7,18.5) v1(46.7,17.5) v1(46.7,16.5) v1(47.45,56) v1(47.7,35.25) v1(48,7.8) v1(48.15,23.25) v1(48.2,56) v1(48.55,7.3) v1(48.95,9.65) v1(49.2,89) v1(49.25,7) v1(49.8,82) v1(50,8.85) v1(50,8.1) v1(50,6.9) v1(50.5,69.3) v1(50.5,68.25) v1(50.7,59.75) v1(50.7,59) v1(50.7,58.25) v1(50.75,7) v1(51.05,9.65) v1(51.5,69.3) v1(51.5,68.25) v1(51.45,7.3) v1(52,7.8) v1(52.4,54.1) v1(52.75,23.25) v1(53.45,57.35) v1(54.2,58.1) v1(54.2,57.35) v1(54.2,56.6) v1(54.5,51.5) v1(55,23.25) v1(55.48,68.6) v1(55.5,48) v1(55.98,67.7) v1(56.08,69.6) v1(56.3,45) v1(56.48,68.6) v1(56.98,67.7) v1(57.08,69.6) v1(57.48,68.6) v1(58.2,44.75) v1(58.5,36.3) v1(58.7,70.7) v1(59.3,71.7) v1(59.3,36.3) v1(59.7,70.7) v1(59.7,48) v1(60.1,43.1) v1(60.1,36.3) v1(60.3,71.7) v1(60.5,46.5) v1(60.7,70.7) v1(61.3,71.7) v1(61.7,70.7) v1(61.7,44) v1(62.2,89.8) v1(62.2,69.8) v1(62.3,71.7) v1(62.6,88.8) v1(62.6,68.8) v1(62.7,70.7) v1(62.75,58.75) v1(63.2,89.8) v1(63.2,69.8) v1(63.3,71.7) v1(63.6,88.8) v1(63.6,68.8) v1(63.6,25.25) v1(63.6,24.25) v1(63.6,23.25) v1(63.6,22.25) v1(63.6,21.2) v1(63.6,18.2) v1(63.6,17.2) v1(63.6,16.2) v1(63.6,15.2) v1(63.6,14.2) v1(63.6,13.2) v1(63.6,12.2) v1(63.6,6.9) v1(63.6,5.9) v1(63.6,4.9) v1(63.7,70.7) v1(64.2,89.8) v1(64.2,69.8) v1(64.6,88.8) v1(64.6,68.8) v1(65.2,89.8) v1(65.2,69.8) v1(68.5,51.55) v1(70.2,70.47) v1(70.5,54.7) v1(72.2,63.8) v1(74.2,63.8) v1(74.52,70.47) v1(76.7,53.3) v1(77.6,68.8) v1(78.7,61.5) v1(79.6,68.8) v1(81.4,61.25) v1(81.35,46.4) v1(81.6,68.8) v1(81.6,55.4) v1(82.5,58.25) v1(83.3,60.65) v1(85.15,50.7) v1(85.95,50.7) v1(87.2,61.12) v1(87.7,62.87) v1(88,69.35) v1(88,68.35) v1(88.2,35.2) v1(88.4,50.7) v1(90.7,72.5) v1(91.2,62.87) v1(91.2,60.87) v1(91.2,55.4) v1(91.6,52.6) v1(92.55,45.4) v1(92.55,39.6) v1(92.55,32.4) v1(93.2,55.4) v1(93.45,67.12) v1(93.45,66.12) v1(95.2,55.4) v1(95.5,60.75) v1(97,48.8) v1(97.45,63.87)
